# Altium PCB Thesis_HarvestEvaluator.PcbDoc (continued)
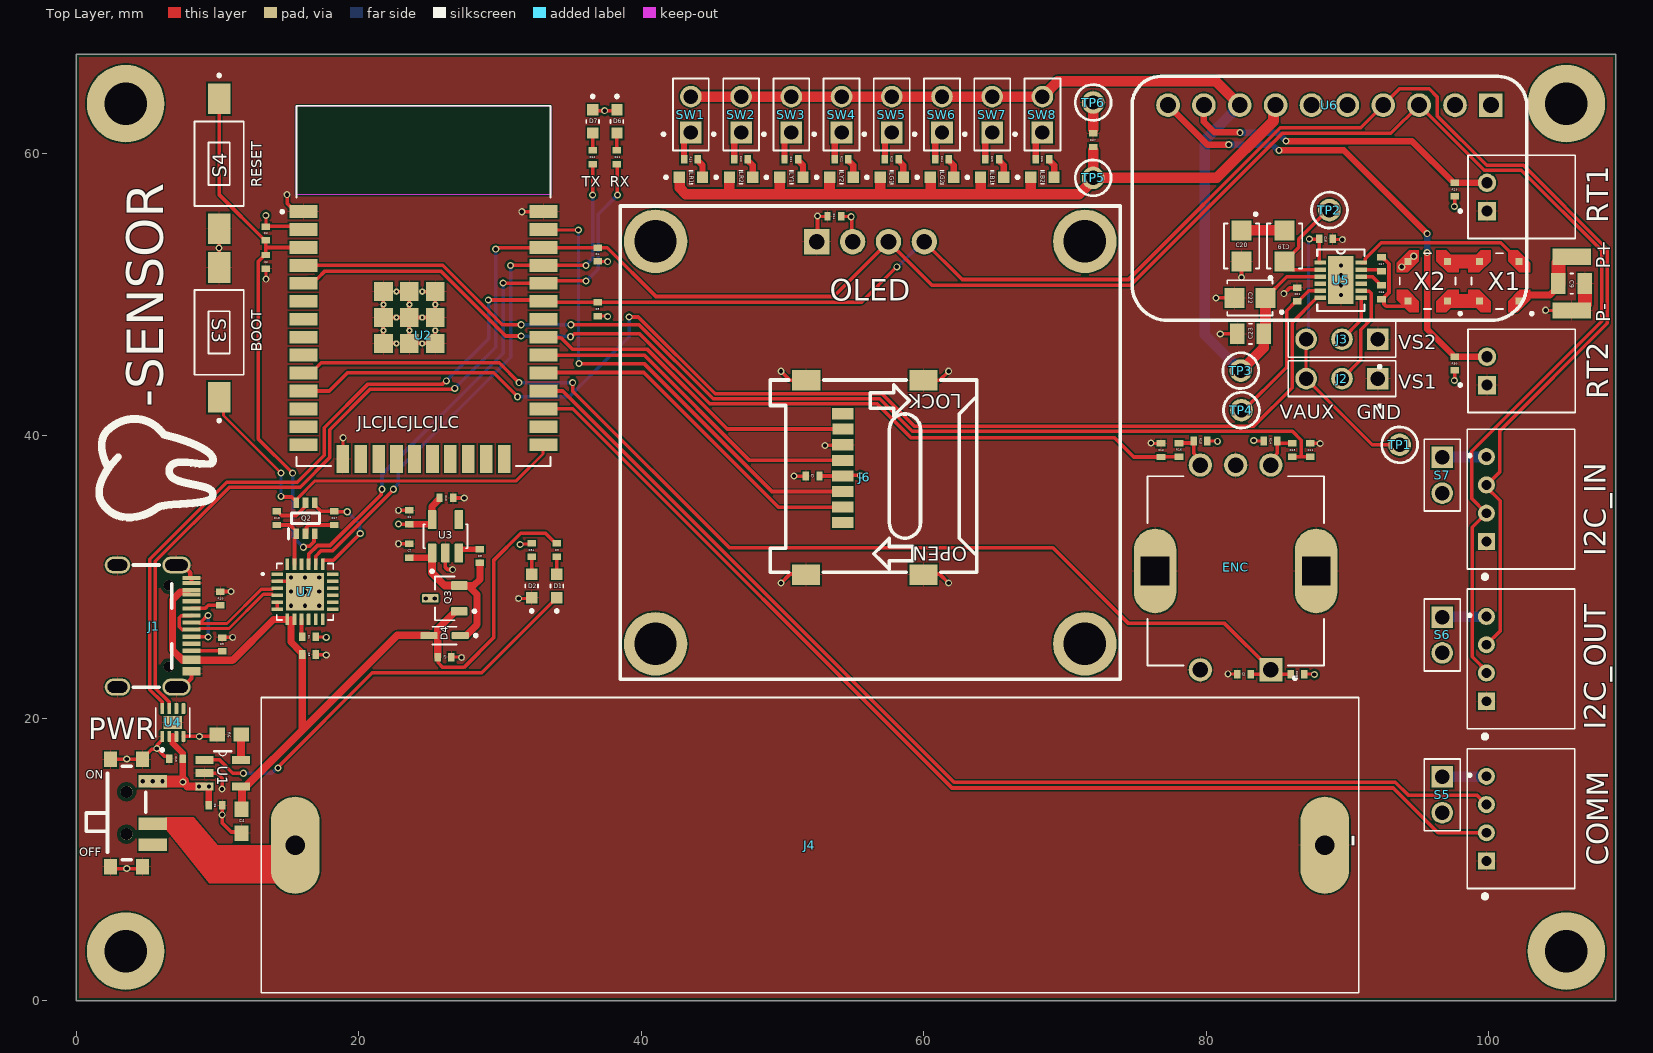
[diagram p0: Top Layer view]
## Footprints (in the part's own frame and the unit in brackets; to place one, negate y for a bottom-side part, rotate by r counter-clockwise, add the part's x,y. Pads: shape width x height; smd on the part's side, far side on the other; paste and mask are expansions set on the pad) (continued)
  round 0.45 hole 0.2: 39(-2.835,0.338) 39(-2.835,2.173) 39(-1.917,-0.58) 39(-1.917,1.255) 39(-1.917,3.09) 39(-1,0.338) 39(-1,2.173) 39(-0.082,-0.58) 39(-0.082,1.255) 39(-0.082,3.09) 39(0.835,0.338) 39(0.835,2.173)
  Keep-Out Layer region: 9,9.945 -9,9.945 -9,16.245 9,16.245
  Keep-Out Layer region: 9,9.945 -9,9.945 -9,16.245 9,16.245
  silkscreen extent -10.1,-9.25 9,16.25, body extent -9,-9.25 9,16.25, height 2.91
"Keystone 5001" [mm]
  round 1.6 hole 1.02: 1(0,0)
  silkscreen extent -1.27,-1.27 1.27,1.27, body extent -1.27,-1.27 1.27,1.26, height 4.94
"LED 0603 - Blue" [mm]
  rect 0.8x0.8 smd: A(0.825,0) C(-0.825,0)
  silkscreen extent -1.86,-0.45 0.11,0.45, body extent -0.81,-0.4 0.81,0.4, height 0.6
"LED 0603 - Green" [mm]
  rect 0.8x0.8 smd: A(0.825,0) C(-0.825,0)
  silkscreen extent -1.86,-0.45 0.11,0.45, body extent -0.81,-0.4 0.81,0.4, height 0.6
"LED 0603 - Red" [mm]
  rect 0.8x0.8 smd: A(0.825,0) C(-0.825,0)
  silkscreen extent -1.86,-0.45 0.11,0.45, body extent -0.81,-0.4 0.81,0.4, height 0.6
"LED 0603 - Yellow" [mm]
  rect 0.8x0.8 smd: A(0.825,0) C(-0.825,0)
  silkscreen extent -1.86,-0.45 0.11,0.45, body extent -0.81,-0.4 0.81,0.4, height 0.6
LPR4012 [mm]
  rect 0.5x0.5 smd paste-1 mask+0: 1(-1.4,1.4) 2(-1.4,-1.4) 3(1.4,-1.4) 4(1.4,1.4)
  Top Layer region: -0.625,1.42 -1.42,0.625 -2.2,0.625 -2.2,1.305 -1.305,2.2 -0.625,2.2
  Top Layer region: -0.625,-1.42 -0.625,-2.2 -1.305,-2.2 -2.2,-1.305 -2.2,-0.625 -1.42,-0.625
  Top Layer region: 2.2,1.305 2.2,0.625 1.42,0.625 0.625,1.42 0.625,2.2 1.305,2.2
  Top Layer region: 2.2,-1.305 1.305,-2.2 0.625,-2.2 0.625,-1.42 1.42,-0.625 2.2,-0.625
  silkscreen extent -2.4,-1.97 1.97,2.4, body extent -2.01,-2.01 2.01,2.01, height 1.2
LTC3108 [mil]
  rect 32x12 smd: 1(-57,49.21) 2(-57,29.53) 3(-57,9.84) 4(-57,-9.84) 5(-57,-29.53) 6(-57,-49.21) 7(57,-49.21) 8(57,-29.53) 9(57,-9.84) 10(57,9.84) 11(57,29.53) 12(57,49.21)
  rect 71x134 smd paste-118.11: 13(0,0)
  silkscreen extent -66,-86 66,86, body extent -59,-79 59,79, height 32
"Male Header - 2 Pin" [mm]
  rect 1.53x1.53 hole 1.02: 1(0,2.54)
  round 1.53 hole 1.02: 2(0,0)
  silkscreen extent -1.27,-1.27 2.04,3.81, body extent -1.27,-1.27 1.27,3.81, height 8.3
"Male Header - 3 Pin" [mm]
  rect 1.53x1.53 hole 1.02: 1(0,2.54)
  round 1.53 hole 1.02: 2(0,0) 3(0,-2.54)
  silkscreen extent -1.27,-3.81 2.04,3.81, body extent -1.27,-3.81 1.27,3.81, height 8.33
MAX17048 [mm]
  rrect25% 0.76x0.27 smd: 1(-0.985,0.75) 2(-0.985,0.25) 3(-0.985,-0.25) 4(-0.985,-0.75) 5(0.985,-0.75) 6(0.985,-0.25) 7(0.985,0.25) 8(0.985,0.75)
  rect 0.9x1.3 smd paste-2: 9(0,0)
  silkscreen extent -2.04,-1.2 1.05,1.2, body extent -1.02,-1 1.03,1
MCP7383 [mil]
  rect 50x22 smd: 1(-51,37) 2(-51,0) 3(-51,-37) 4(51,-37) 5(51,37)
  silkscreen extent -24,49 24,61, body extent -53,-57 53,57, height 57
"MicroSD Socket" [mm]
  rect 0.8x1.5 smd: 1(-3.717,2.495) 2(-2.617,2.495) 3(-1.516,2.495) 4(-0.418,2.495) 5(0.685,2.495) 6(1.787,2.495) 7(2.908,2.487) 8(3.991,2.495)
  rect 1.45x2 smd: 9(6.357,5.087) 10(-7.403,5.095) 11(-7.403,-3.213) 12(6.357,-3.213)
  silkscreen extent -7.22,-6.98 6.38,7.64, body extent -7.75,-7.11 6.75,8.06, height 1.83
MK-12C02-G015 [mm]
  rect 0.9x2 smd: 1(-2.218,2.156) 2(0.782,2.156) 3(2.282,2.156)
  rect 1.1x0.93 smd: S(-3.768,-0.825) S(-3.768,1.445) S(3.832,-0.825) S(3.832,1.445)
  round 0.85 hole 0.85 unplated: ""(-1.468,0.31) ""(1.532,0.31)
  silkscreen extent -3.27,-2.54 3.33,1.68, body extent -3.82,-2.48 3.88,2.52, height 1.4
"OLED 1.3in module" [mm]
  rect 1.8x1.8 hole 1.1: 1(-2.937,3.275)
  round 1.8 hole 1.1: 2(-0.397,3.275) 3(2.143,3.275) 4(4.683,3.275)
  round 4.5 hole 3: ""(-14.35,-25.2) ""(-14.35,3.3) ""(16.05,-25.2) ""(16.05,3.3)
  silkscreen extent -16.85,-27.7 18.55,5.8, body extent -16.95,-27.72 18.7,5.88, height 13.63
Pad [mm]
  rect 2.72x1.16 smd: 1(0,0)
PEC11R-4215F-S0024 [mm]
  rect 1.65x1.65 hole 1.1: 1(-2.5,7)
  round 1.65 hole 1.1: 2(2.5,7) A(-2.5,-7.5) B(2.5,-7.5) COM(0,-7.5)
  oval 3x6 hole 2 square: S(-5.7,0) S(5.7,0)
  silkscreen extent -6.25,-6.7 6.25,7.7, body extent -6.92,-7.6 6.92,7.1, height 21.53
"Push Button 3.5x6" [mm]
  rect 2.18x1.6 smd: 1(-4.6,0) 2(4.6,0)
  silkscreen extent -6.35,-1.75 3,1.75, body extent -5,-1.75 5,1.75, height 4.33
"Resistor 0402" [mil]
  rect 18x24 smd: 1(-19,0) 2(19,0)
  body extent -20,-10 20,10, height 14
"Resistor 0603" [mm]
  rect 1.1x1 smd: 1(-0.85,0) 2(0.85,0)
  body extent -0.8,-0.4 0.8,0.4, height 0.45
S2B-PH [mm]
  rect 1.308x1.308 hole 0.8: 1(-1,0)
  round 1.308 hole 0.8: 2(1,0)
  silkscreen extent -2.95,-6.25 2.95,2, body extent -2.98,-6.21 2.92,1.39, height 4.8
S4B-PH [mm]
  rect 1.208x1.208 hole 0.7: 1(-3,0)
  round 1.208 hole 0.7: 2(-1,0) 3(1,0) 4(3,0)
  silkscreen extent -5.64,-6.25 4.95,1.35, body extent -4.95,-6.2 4.95,1.4, height 4.85
"USB Type C" [mm]
  rect 0.3x1.3 smd: A1(-3.4,2.624) A4(-2.56,2.624) A5(-1.25,2.624) A6(-0.25,2.624) A7(0.25,2.624) A8(1.25,2.624) A9(2.55,2.624) A12(3.35,2.624) B1(3.05,2.624) B4(2.24,2.624) B5(1.75,2.624) B6(0.75,2.624) B7(-0.75,2.624) B8(-1.75,2.624) B9(-2.24,2.624) B12(-3.05,2.624)
  oval 1.2x2 hole 0.8 slot 1.6 at 90 deg: S(-4.32,1.556) S(4.32,1.556)
  oval 1.2x1.8 hole 0.8 slot 1.4 at 90 deg: S(-4.32,-2.624) S(4.32,-2.624)
  round 0.75 hole 0.75 unplated: ""(-2.89,1.026) ""(2.89,1.026)
  silkscreen extent -4.32,-1.49 4.32,1.22, body extent -4.47,-5.21 4.47,2.54, height 3.32
XC6220 [mm]
  rrect15% 1.35x0.6 smd: 1(-1.185,0.95) 2(-1.185,0) 3(-1.185,-0.95) 4(1.185,-0.95) 5(1.185,0.95)
  silkscreen extent -2.57,-1.55 0.85,1.55, body extent -1.19,-1.5 1.21,1.5, height 1.15

## Part data
C9 C16 C17 C18 C19 C20 C21 C22 C23: library part Capacitor
LB1 LB2 LG1 LG2 LR1 LR2 LY1 LY2: library part LED
R19 R20 R21 R22 R23 R24 R25 R26 R29 R30: library part Resistor, "May be 0R or 1k"
R27: library part Resistor, "Consider different shunt ranges"
RT1 RT2: library part Thermistor

## Free pads (board coordinates)
  round 5.5 hole 3: ""(3.5,3.5) ""(3.5,63.5) ""(105.5,3.5) ""(105.5,63.5)

## Via types
v1: diameter 0.5, hole 0.3, Top Layer to Bottom Layer, 113 vias

## Nets (pads, with @x,y where several pads share a name; then routed paths per layer and width w, separated by ;. In a path a pad name is that pad's centre, name@x,y a point inside that pad or via, vN(x,y) a via of type N, cw(c..) or ccw(c..) an arc to the next point about the centre after c; other vN are vias at no path point)
3V3: C1.1 C5.1 C10.1 C14.1 D6.C D7.C J6.4 OLED.2 R1.1 R2.2 R4.1 R5.1 R14.2 R15.2 R28.2 R29.2 R30.2 R34.2 S5.2 S6.2 S7.2 U2.2 U3.5 U6.1 | length 19.5
  Top Layer w0.218: R2.2@13.419,54.809 v1(13.419,55.576) ; R1.1@16.993,25.745 v1@17.676,25.745 ; v1@31.47,32.325 R34.2@32.204,32.325 ; R5.1 v1@37.601,48.463 ; R4.1 v1@37.601,52.338 ; C14.1 v1@54.839,55.52 ; R15.2 v1@80.775,39.62 ; v1@83.396,39.62 R14.2 ; R28.2 v1@87.633,23.11 ; v1@97.599,43.932 R30.2 ; v1@97.599,56.251 R29.2
  Top Layer w0.254: R2.2@13.419,54.809 U2.2@15.872,54.809 ; v1@22.83,33.729 C1.1@23.554,33.729 ; D7.C@36.559,63.007 v1(37.415,63.007) D6.C@38.277,63.007 ; C5.1 J6.4 ; OLED.2@54.916,53.781 v1@54.916,55.443 ; J6.4@54.975,37.186 v1@55.513,37.186
  Top Layer w0.45: C1.1@23.574,33.729 U3.5@25.017,33.729
  Top Layer w0.5: U3.5@25.19,34.044 25.19,34.984 C10.1@25.694,35.489
  other v1: 87.658,23.085 17.701,25.72 31.431,32.287 22.821,33.738 55.517,37.182 80.8,39.595 83.371,39.645 97.574,43.907 37.626,48.438 37.626,52.313 54.864,55.495 97.574,56.226
D_N: J1.A7 J1.B7 U7.4 | length 8
  Top Layer w0.218: J1.A7@8.735,26.338 10.819,26.338 13.247,28.766 U7.4@13.897,28.766
  Top Layer w0.254: 7.5,26.25 7.285,26.465 7.285,27.094 7.433,27.243 8.14,27.243 J1.B7@8.162,27.265
D_P: J1.A6 J1.B6 U7.3 | length 9.6
  Top Layer w0.218: J1.A6@8.735,26.694 10.672,26.694 13.1,29.122 U7.3@13.897,29.122
  Top Layer w0.254: J1.B6@8.161,25.752 v1@9.335,25.752 ; J1.A6@8.806,26.781 v1@9.295,27.27
  Bottom Layer w0.254: v1(9.341,25.746) v1(9.341,27.27)
DTR: Q2.1 R18.2 U7.23 | length 3.4
  Top Layer w0.254: R18.2 15.139,33.669 Q2.1@15.581,33.227 ; U7.23 Q2.1@15.449,32.745
GND: C1.2 C2.2 C3.2 C4.2 C5.2 C6.2 C7.2 C8.2 C9.2 C10.2 C11.1 C12.1 C14.2 C15.2 C18.2 C20.2 C21.2 C22.2 C23.2 COMM.1 D2.C ENC.2 ENC.COM ENC.S I2C_IN.1 I2C_OUT.1 J1.A1 J1.A12 J1.B1 J1.B12 J1.S J2.1 J3.1 J4.N J6.6 J6.9 J6.10 J6.11 J6.12 OLED.1 P-.1 PWR.S R6.1 R7.1 R9.1 R10.1 R27.1 RT1.1 RT2.1 S3.2 S4.2 TP6.1 U1.2 U2.1 U2.15 U2.38 U2.39 U3.2 U4.1 U4.4 U4.6 U4.9 U5.13 U6.2 U7.2 U7.25 X2.3 | length 77
  Top Layer w0.218: C2.2@13.419,51.826 13.423,51.823 13.423,51.081 v1(13.427,51.076) ; v1(18.9,39.85) 18.9,39.13 U2.15@18.912,39.118 ; R7.1@26.56,24.31 v1@27.244,24.31 ; v1(31.324,28.462) D2.C@32.189,28.462 ; v1(31.55,55.85) 32.32,55.85 U2.38@32.332,55.862 ; v1@52.507,55.52 C14.2 ; v1@76.123,39.449 C12.1 ; v1@81.567,23.11 C3.2 C3.2@82.251,23.11 ; C11.1 v1@88.048,39.459 ; C18.2@88.934,53.899 v1@89.618,53.899 ; v1@104.067,48.85 P-.1@104.75,48.85
  Top Layer w0.254: PWR.S@2.447,17.095 v1(3.576,17.095) PWR.S@4.679,17.095 ; PWR.S@2.559,9.345 v1(3.576,9.345) PWR.S@4.567,9.345 ; PWR.S@4.698,17.161 5.335,17.798 v1@5.654,17.798 ; v1(5.701,17.845) 6.25,17.296 C15.2@6.479,17.296 ; v1@5.748,17.892 5.748,18.119 U4.1@6.087,18.458 ; U4.4 v1(8.711,18.703) R6.1@9.834,18.703 ; U1.2 9.944,16.102 10.326,15.72 v1(10.326,14.97) ; S3.2 v1(10.112,53.279) S4.2 ; R10.1@10.218,28.961 v1@10.942,28.961 ; v1(10.333,13.151) 10.333,12.567 10.968,11.932 11.618,11.932 C4.2 ; v1@10.336,13.154 C6.2@10.336,13.813 ; R9.1@10.343,25.711 v1@11.067,25.711 ; U7.2 15.449,29.694 v1(16.199,28.944) ; v1(14.925,57.057) 14.925,56.444 U2.1@15.511,55.858 ; C8.2@16.983,24.485 v1@17.686,24.485 ; U2.39@21.748,50.196 21.748,49.278 U2.39@21.748,48.361 ; U2.39@22.665,46.526 21.748,46.526 21.748,47.443 U2.39@21.748,48.361 ; U2.39@22.665,50.196 23.583,50.196 23.583,49.278 U2.39@23.583,48.361 ; v1@22.824,32.332 C7.2@23.561,32.332 ; v1@22.832,34.703 C1.2@23.557,34.703 ; U2.39@24.5,50.196 25.418,50.196 25.418,49.278 25.418,48.361 24.5,48.361 U2.39@23.583,48.361 ; U2.39@25.418,47.443 25.418,46.526 24.5,46.526 23.583,46.526 23.583,47.443 U2.39@23.583,48.361 ; U3.2@26.14,31.674 26.14,30.665 26.288,30.517 v1@26.643,30.517 ; C10.2@26.681,35.587 26.684,35.584 27.458,35.584 v1(27.469,35.573) ; v1(49.892,29.557) 50.535,30.2 J6.10@51.679,30.2 ; v1(49.892,44.557) 50.535,43.914 J6.9 ; v1(50.814,37.135) C5.2@51.452,37.135 ; OLED.1@52.482,53.783 v1(52.482,55.545) ; v1(53.017,39.307) J6.6@54.031,39.307 ; J6.11@59.979,30.2 61.124,30.2 v1(61.767,29.557) ; J6.12 61.124,43.914 v1(61.767,44.557) ; v1(80.7,49.75) 81.994,49.75 C22.2 ; v1(81,47.2) 82.197,47.2 C23.2 ; v1(82.5,51.2) 82.5,52.321 C20.2 ; v1(85.5,50.05) 85.907,50.457 86.419,50.457 C21.2 ; P-.1 106.328,48.856 P-.1@106.781,49.309 ; C9.2 C9.2@106.836,50.74 ; U2.39@21.748,48.361 22.665,48.361 U2.39@23.583,48.361
  Top Layer w0.3: J1.S@7.526,30.836 8.076,30.285 J1.A1@8.076,30.003 ; J1.S@7.552,22.196 8.163,22.807 J1.A12 J1.B1 ; J1.B12 J1.A1
  Top Layer w0.75: 72,61.7 TP6.1
  Top Layer w1: P-.1@106.815,49.309 C9.2
  other v1: 81.542,23.135 27.269,24.285 17.701,24.47 11.076,25.72 15.199,27.956 16.199,27.956 17.199,27.956 15.199,28.956 17.199,28.956 10.951,28.97 15.199,29.956 16.199,29.956 17.199,29.956 26.651,30.509 22.812,32.345 22.824,34.712 88.073,39.434 76.098,39.474 104.042,48.875 89.55,49.95 89.55,50.65 89.55,51.35 93.85,51.95 89.55,52.05 94.7,52.7 89.643,53.874
GND_L: LB1.C LB2.C LG1.C LG2.C LR1.C LR2.C LY1.C LY2.C R27.2 TP5.1 U6.7 | length 56.9
  Top Layer w0.75: LR1.C 42.717,58.264 42.717,57.539 43.156,57.1 46.3,57.1 ; LR2.C 46.248,57.152 46.3,57.1 ; LY1.C 49.804,57.196 49.9,57.1 ; LY2.C 53.335,58.264 53.335,57.235 53.2,57.1 ; LG1.C 56.916,57.116 56.9,57.1 ; LG2.C 60.497,58.264 60.497,57.203 60.6,57.1 ; LB1.C 64.028,57.172 64.1,57.1 ; LB2.C 67.584,57.134 67.55,57.1 ; 72,60.2 TP5.1 ; U6.7 84.772,63.252 84.772,62.272 80.75,58.25 TP5.1 ; 46.3,57.1 49.9,57.1 ; 49.9,57.1 53.2,57.1 ; 53.2,57.1 56.9,57.1 ; 56.9,57.1 60.6,57.1 ; 60.6,57.1 64.1,57.1 ; 64.1,57.1 67.55,57.1 ; 67.55,57.1 71,57.1 72,58.1 TP5.1
GPIO0: Q2.6 S3.1 U2.25 | length 29.6
  Top Layer w0.218: S3.1 10.429,42.393 10.429,41.421 v1(14.5,37.35) ; Q2.6 15.672,35.343 15.672,35.566 16.906,36.8 31.15,36.8 33.052,38.702 33.052,39.32 U2.25
  Top Layer w0.254: v1(14.5,35.7) 14.547,35.653 15.247,35.653 Q2.6@15.45,35.45
  Bottom Layer w0.218: v1(14.5,35.7) v1(14.5,37.35)
IO5: J6.2 U2.29 | length 25.2
  Top Layer w0.254: U2.29 33.12,44.468 40.182,44.468 49.71,34.94 J6.2
IO16: COMM.2 U2.27 | length 79.2
  Top Layer w0.254: U2.27 35.159,41.891 62,15.05 93.25,15.05 96.422,11.878 COMM.2
IO17: COMM.3 U2.28 | length 78.9
  Top Layer w0.254: U2.28 34.439,43.161 62.15,15.45 93.4,15.45 94.3,14.55 99.169,14.55 COMM.3
IO18: J6.5 U2.30 | length 24.3
  Top Layer w0.254: U2.30 40.21,45.701 47.668,38.242 J6.5
IO19: J6.7 U2.31 | length 23.9
  Top Layer w0.254: U2.31 33.125,46.929 34.315,46.929 35.144,46.1 40.45,46.1 46.085,40.465 J6.7
IO23: J6.3 U2.37 | length 33.6
  Top Layer w0.218: U2.37@33.846,54.602 33.898,54.55 v1(35.55,54.55)
  Top Layer w0.254: v1(35.6,45.1) 40.2,45.1 49.259,36.041 J6.3
  Bottom Layer w0.218: v1(35.55,54.55) 35.55,45.15 v1(35.6,45.1)
IO25: C3.1 ENC.1 R28.1 U2.10 | length 81.2
  Top Layer w0.254: U2.10 16.633,44.431 17.352,45.15 29.95,45.15 v1(31.35,43.75) ; v1(35.15,43.75) 35.15,43.15 46.25,32.05 69.15,32.05 74.5,26.7 81.304,26.7 ENC.1 ; C3.1 84.28,23.11 ENC.1 ; R28.1 84.894,23.11 ENC.1
  Bottom Layer w0.254: v1(31.35,43.75) v1(35.15,43.75)
IO26: U2.11 U5.6 | length 86.1
  Top Layer w0.254: U2.11 17.911,43.161 19.2,44.45 29.55,44.45 v1(31.25,42.75) ; v1(39.15,48.4) 39.8,48.4 45.24,42.96 57.043,42.96 59.347,40.656 83.356,40.656 86.085,43.385 86.085,47.236 86.1,47.25 86.1,48.012 87.841,49.753 U5.6
  Bottom Layer w0.254: v1(31.25,42.75) 34.895,42.75 39.15,47.005 v1(39.15,48.4)
IO36: C11.2 R13.2 U2.4 | length 78.2
  Top Layer w0.254: U2.4 25.949,52.051 30.15,47.85 v1(31.5,47.85) ; v1(35.017,47.85) 39.847,47.85 45.092,42.605 56.895,42.605 59.2,40.3 86.11,40.3 86.73,39.68 86.73,38.493 ; R13.2 86.73,38.493 ; C11.2 86.73,38.493
  Bottom Layer w0.254: v1(31.5,47.85) v1(35.017,47.85)
IO39: C12.2 R16.1 U2.5 | length 68
  Top Layer w0.254: U2.5 16.406,51.104 17.059,51.104 17.605,51.65 25.8,51.65 30.4,47.05 v1(31.5,47.05) ; v1(35,47) 35.067,47 35.267,47.2 39.9,47.2 44.851,42.249 56.701,42.249 59.09,39.86 73.49,39.86 74.866,38.484 C12.2 76.819,38.497 78.063,38.497 R16.1
  Bottom Layer w0.254: v1(31.5,47.05) 31.525,47.025 34.975,47.025 v1(35,47)
NetC9_1: C9.1 P+.1 X1.1 | length 4.6
  Top Layer w0.508: 102.254,49.95 104.339,49.95 104.935,50.546 C9.1
  Top Layer w1: C9.1 P+.1@104.935,52.213
NetC16_1: C16.1 U5.10 | length 1.7
  Top Layer w0.254: U5.10 91.778,51.253 92.235,50.796 92.235,50.736 92.337,50.634 C16.1
NetC16_2: C16.2 C17.2 X2.4 | length 6.1
  Top Layer w0.254: C17.2 92.489,52.615 92.946,52.158 92.946,50.126 C16.2@92.489,49.669 ; 94.01,49.155 94.159,49.303 94.159,49.416 X2.4 ; 94.137,49.155 92.74,49.155 92.591,49.303 92.591,49.567 C16.2@92.489,49.669 ; C16.2@92.489,49.669 C16.2 C16.2@92.489,49.669
NetC17_1: C17.1 U5.11 | length 1.5
  Top Layer w0.254: U5.11 92.234,51.753 92.337,51.65 C17.1
NetC19_1: C19.1 TP2.1 U5.2 | length 7.8
  Top Layer w0.254: U5.2 86.13,51.753 C19.1 86.55,53.323 86.55,53.914 88.604,55.968 TP2.1
NetC19_2: C19.2 C20.1 | length 3
  Top Layer w0.75: C20.1 C19.2
NetC21_1: C21.1 TP4.1 U5.5 | length 11.6
  Top Layer w0.254: TP4.1@82.45,41.6 85.7,44.85 85.7,48.849 86.368,49.516 C21.1 86.52,49.516 87.257,50.253 U5.5
NetCOMM_4: COMM.4 S5.1 | length 3.1
  Bottom Layer w0.75: S5.1@96.736,15.858 COMM.4@99.821,15.858
NetD1_A: D1.A R3.2 | length 1.2
  Top Layer w0.254: D1.A@34.021,30.166 R3.2@34.021,31.398
NetD1_C: D1.C U1.1 | length 30.5
  Top Layer w0.254: U1.1 10.142,17.042 11.088,16.095 v1(11.826,16.095) ; v1(14.279,16.471) 14.279,16.529 20.962,23.212 28.717,23.212 D1.C@34.021,28.516
  Bottom Layer w0.254: v1(11.826,16.095) 13.837,16.095 14.213,16.471 v1(14.279,16.471)
NetD2_A: D2.A R34.1 | length 1.2
  Top Layer w0.254: D2.A@32.243,30.166 R34.1@32.243,31.398
NetD6_A: D6.A R11.1 | length 1.2
  Top Layer w0.254: R11.1@38.279,60.127 D6.A@38.279,61.359
NetD7_A: D7.A R12.1 | length 1.2
  Top Layer w0.254: R12.1@36.557,60.127 D7.A@36.557,61.359
NetENC_A: ENC.A R13.1 R14.1 | length 3
  Top Layer w0.254: ENC.A 84.587,38.295 85.045,38.752 R14.1@85.045,39.56 ; R14.1 R14.1@85.045,39.56 ; R13.1 85.146,39.459 R14.1@85.045,39.56
NetENC_B: ENC.B R15.1 R16.2 | length 2.8
  Top Layer w0.254: R16.2 R15.1@79.025,39.475 ; R15.1 79.126,38.755 79.587,38.295 ENC.B
NetI2C_IN_4: I2C_IN.4 S7.1 | length 3.1
  Bottom Layer w0.75: S7.1 96.736,38.486 99.821,38.486 I2C_IN.4
NetI2C_OUT_4: I2C_OUT.4 S6.1 | length 3.1
  Bottom Layer w0.75: S6.1 96.736,27.172 99.821,27.172 I2C_OUT.4
NetJ1_A5: J1.A5 R10.2 | length 2
  Top Layer w0.254: J1.A5@8.186,27.789 9.145,27.789 9.343,27.987 R10.2@10.125,27.987
NetJ1_B5: J1.B5 R9.2 | length 2.1
  Top Layer w0.254: J1.B5 R9.2@10.297,24.766
NetJ4_P: J4.P PWR.2
NetLB1_A: LB1.A R25.1 | length 1.4
  Top Layer w0.254: R25.1@65.336,59.483 R25.1
  Top Layer w0.45: R25.1@65.336,59.483 65.678,59.14 LB1.A
NetLB2_A: LB2.A R26.1 | length 1.4
  Top Layer w0.254: R26.1@68.892,59.483 R26.1
  Top Layer w0.45: R26.1@68.892,59.483 69.234,59.14 LB2.A
NetLG1_A: LG1.A R23.1 | length 1.4
  Top Layer w0.254: R23.1@58.224,59.483 R23.1
  Top Layer w0.45: R23.1@58.224,59.483 58.566,59.14 LG1.A
NetLG2_A: LG2.A R24.1 | length 1.4
  Top Layer w0.254: R24.1@61.78,59.483 R24.1
  Top Layer w0.45: R24.1@61.78,59.483 62.122,59.14 LG2.A
NetLR1_A: LR1.A R19.1 | length 1.4
  Top Layer w0.254: R19.1@44,59.483 R19.1
  Top Layer w0.45: R19.1@44,59.483 44.342,59.14 LR1.A
NetLR2_A: LR2.A R20.1 | length 1.4
  Top Layer w0.254: R20.1@47.556,59.483 R20.1
  Top Layer w0.45: R20.1@47.556,59.483 47.898,59.14 LR2.A
NetLY1_A: LY1.A R21.1 | length 1.4
  Top Layer w0.254: R21.1@51.112,59.483 R21.1
  Top Layer w0.45: R21.1@51.112,59.483 51.454,59.14 LY1.A
NetLY2_A: LY2.A R22.1 | length 1.4
  Top Layer w0.254: R22.1@54.668,59.483 R22.1
  Top Layer w0.45: R22.1@54.668,59.483 55.01,59.14 LY2.A
NetQ2_2: Q2.2 R17.2 | length 2.4
  Top Layer w0.254: Q2.2@16.304,33.125 16.304,33.521 16.453,33.669 R17.2
NetQ2_5: Q2.5 R18.1 | length 2
  Top Layer w0.254: R18.1@14.432,34.419 14.506,34.345 15.572,34.345 Q2.5@16.158,34.931
NetR1_2: R1.2 U7.9 | length 1.1
  Top Layer w0.254: R1.2@15.949,25.9 U7.9
NetR6_2: R6.2 U1.5 | length 1.8
  Top Layer w0.55: U1.5@11.668,17.05 R6.2@11.668,18.837
NetR8_2: R8.2 U3.3 | length 1.2
  Top Layer w0.4: U3.3@27.339,31.944 R8.2@28.574,31.944
NetR19_2: R19.2 SW1.1 | length 2.1
  Top Layer w0.254: SW1.1@43.034,60.981 SW1.1
  Top Layer w0.45: R19.2 SW1.1@43.034,60.981
NetR20_2: R20.2 SW2.1 | length 2.1
  Top Layer w0.254: SW2.1@46.59,60.981 SW2.1
  Top Layer w0.45: R20.2 SW2.1@46.59,60.981
NetR21_2: R21.2 SW3.1 | length 2.1
  Top Layer w0.254: SW3.1@50.146,60.981 SW3.1
  Top Layer w0.45: R21.2 SW3.1@50.146,60.981
NetR22_2: R22.2 SW4.1 | length 2.1
  Top Layer w0.254: SW4.1@53.702,60.981 SW4.1
  Top Layer w0.45: R22.2 SW4.1@53.702,60.981
NetR23_2: R23.2 SW5.1 | length 2.1
  Top Layer w0.254: SW5.1@57.258,60.981 SW5.1
  Top Layer w0.45: R23.2 SW5.1@57.258,60.981
NetR24_2: R24.2 SW6.1 | length 2.1
  Top Layer w0.254: SW6.1@60.814,60.981 SW6.1
  Top Layer w0.45: R24.2 SW6.1@60.814,60.981
NetR25_2: R25.2 SW7.1 | length 2.1
  Top Layer w0.254: SW7.1@64.37,60.981 SW7.1
  Top Layer w0.45: R25.2 SW7.1@64.37,60.981
NetR26_2: R26.2 SW8.1 | length 2.1
  Top Layer w0.254: SW8.1@67.926,60.981 SW8.1
  Top Layer w0.45: R26.2 SW8.1@67.926,60.981
NetU5_12: U5.12 X1.2 | length 12.4
  Top Layer w0.254: U5.12 91.245,52.253 91.27,52.278 91.27,52.532 92.388,53.65 100.851,53.65 X1.2
NetU7_5: U7.5 U7.6 | length 0.5
  Top Layer w0.254: U7.6 U7.5
NetX1_3: X1.3 X2.2 | length 2.3
  Top Layer w1: X2.2 X1.3
NetX1_4: X1.4 X2.1 | length 2.3
  Top Layer w1: X2.1 X1.4
RESET: C2.1 Q2.3 R2.1 S4.1 U2.3 | length 38.7
  Top Layer w0.254: S4.1 10.112,57.068 13.342,53.838 R2.1 ; C2.1@13.418,52.783 R2.1@13.418,53.836 ; C2.1 13.342,52.786 12.885,52.329 12.885,39.765 v1@15.319,37.331 ; 13.427,53.318 U2.3@16.083,53.318 ; v1@16.201,32.153 16.494,32.153 16.834,32.493 Q2.3@16.834,33.005
  Bottom Layer w0.254: v1(15.325,37.337) 15.325,32.846 v1(16.076,32.095)
RTS: Q2.4 R17.1 U7.19 | length 7.9
  Top Layer w0.254: Q2.4@16.881,35.077 17.323,34.635 R17.1 ; U7.19@17.452,31.08 17.452,31.164 18.209,31.164 v1(20.108,33.063) ; R17.1@18.29,34.608 v1(19.188,34.608)
  Bottom Layer w0.254: v1(19.188,34.608) 20.076,33.72 20.076,33.095 v1(20.108,33.063)
RX: R11.2 U2.34 U7.21 | length 40.5
  Top Layer w0.254: U7.21 16.449,31.593 17.076,32.22 17.97,32.22 21.608,35.858 21.608,36.158 v1(21.65,36.2) ; v1(30.227,50.8) 33.064,50.8 U2.34 ; U2.34@33.718,50.95 v1(36.1,50.95) ; v1(38.317,57.034) R11.2@38.317,59.123
  Bottom Layer w0.254: v1(21.65,36.2) 21.65,37.25 30.227,45.827 v1(30.227,50.8) ; v1(36.1,50.95) 36.95,51.8 36.95,55.667 v1(38.317,57.034)
SCL: I2C_IN.2 I2C_OUT.2 OLED.3 R4.2 U2.36 U4.7 U6.3 | length 176.6
  Top Layer w0.254: U4.7@6.579,20.681 6.579,21.14 5.6,22.119 5.6,31.1 10.85,36.35 15.85,36.35 17.95,38.45 17.95,40.423 20.822,43.294 26.57,43.294 26.579,43.303 26.753,43.303 v1(26.8,43.35) ; v1(29.7,53.2) 29.767,53.2 29.858,53.292 33.054,53.292 U2.36 33.1,53.304 R4.2 37.596,53.304 41.05,49.85 53.629,49.85 OLED.3 60.587,50.65 74.65,50.65 85.4,61.4 93.08,61.4 U6.3 99.697,58.783 102.317,58.783 108,53.1 108,48.1 98.8,38.9 98.8,35.547 I2C_IN.2 98.841,33.506 98.841,24.342 I2C_OUT.2@99.991,23.192
  Bottom Layer w0.254: v1(26.8,43.35) 29.7,46.25 v1(29.7,53.2)
SDA: I2C_IN.3 I2C_OUT.3 OLED.4 R5.2 U2.33 U4.8 U6.4 | length 170.9
  Top Layer w0.254: U4.8@6.079,20.681 6.079,21.137 5.2,22.016 5.2,31.25 10.656,36.706 15.656,36.706 17.55,38.6 17.55,40.55 20.65,43.65 25.928,43.65 26.155,43.877 v1(26.2,43.877) ; v1(29.173,49.6) 32.994,49.6 33.165,49.429 R5.2 55.579,49.429 v1(58.1,51.95) ; OLED.4 62.727,51.05 74.5,51.05 85.25,61.8 90.94,61.8 U6.4 93.69,64.55 95.8,64.55 96.35,64 96.35,62.65 99.862,59.138 102.465,59.138 108.4,53.203 108.4,47.95 100.8,40.35 100.8,37.432 99.874,36.506 I2C_IN.3 ; I2C_IN.3@99.766,36.431 100.816,35.381 100.816,26.167 I2C_OUT.3
  Bottom Layer w0.254: v1(26.2,43.877) 29.2,46.877 29.2,49.573 v1(29.173,49.6) ; v1(58.1,51.95) 58.167,51.95 59.946,53.729 OLED.4
T1: R29.1 RT1.2 U6.9 | length 23
  Top Layer w0.254: v1@82.379,61.471 v1(82.4,61.45) ; R29.1@97.523,57.9 R29.1
  Top Layer w0.45: U6.9 79.84,62.21 80.579,61.471 v1@82.379,61.471 ; v1(85.65,60.85) 94.573,60.85 R29.1@97.523,57.9 ; R29.1 RT1.2
  Bottom Layer w0.45: v1(82.4,61.45) 85.05,61.45 v1(85.65,60.85)
T2: R30.1 RT2.2 U6.10 | length 34
  Top Layer w0.45: U6.10 80.1,60.6 v1(81.6,60.6) ; v1(85.15,60.2) 89.75,60.2 v1(95.65,54.3) ; v1(95.65,52.95) 95.65,47.53 97.519,45.661 97.519,45.585 97.523,45.581 R30.1 RT2.2
  Bottom Layer w0.254: v1@85.083,60.2 v1(85.15,60.2)
  Bottom Layer w0.45: v1(81.6,60.6) 84.683,60.6 v1@85.083,60.2 ; v1(95.65,52.95) v1(95.65,54.3)
TX: R12.2 U2.35 U7.20 | length 39.4
  Top Layer w0.254: U7.20 16.949,31.468 17.326,31.845 18.145,31.845 22.45,36.15 v1(22.45,36.2) ; v1(30.75,52.05) 33.082,52.05 U2.35 ; U2.35@33.718,52.05 v1(36.1,52.05) ; v1(36.567,57.034) R12.2@36.567,59.151
  Bottom Layer w0.254: v1(22.45,36.2) 22.45,36.267 22.797,36.614 22.797,37.597 30.754,45.554 30.754,52.046 v1(30.75,52.05) ; v1(36.1,52.05) 36.1,52.103 36.567,52.57 v1(36.567,57.034)
V_BATT: C6.1 C15.1 PWR.1 Q3.3 U1.3 U4.2 U4.3 | length 8.2
  Top Layer w0.45: 6.837,18.703 6.837,18.209 7.542,17.504 ; v1(7.546,15.47) 7.546,15.526 C15.1 ; C6.1 U1.3@9.374,15.108
  Top Layer w0.55: v1(7.546,15.47) 7.853,15.162 v1(8.689,15.162) U1.3
  Top Layer w0.85: v1(5.409,15.526) v1@7.546,15.526
  other v1: 9.4,15.162 4.714,15.53 6.111,15.53 24.74,28.462 25.375,28.462
V_USB: C4.1 C8.1 D4.A J1.A4 J1.A9 J1.B4 J1.B9 Q3.1 R3.1 R7.2 U1.4 U7.7 U7.8 | length 61.3
  Top Layer w0.254: R7.2@25.623,24.281 25.623,23.912 25.949,23.587 27.449,23.587 29.574,25.712 29.574,31.197 31.463,33.087 33.221,33.087 R3.1@33.944,32.363
  Top Layer w0.5: 7.83,28.921 7.358,28.921 6.806,28.369 6.806,24.826 7.537,24.095 11.076,24.095 13.97,26.989 U7.7 ; 15.199,26.989 15.199,25.38 C8.1@15.929,24.649 ; R7.2@25.595,24.31 25.595,26.314 Q3.1@26.83,27.549
  Top Layer w0.55: C4.1@11.731,13.632 U1.4@11.731,15.108 ; U1.4@12.016,15.162 16.002,19.149 ; C8.1 16.002,19.149 ; D4.A@24.941,25.865 22.719,25.865 16.002,19.149
VAUX: C18.1 J2.3 J3.3 TP1.1 U5.1 | length 21
  Top Layer w0.218: J3.3 J2.3 91.759,39.35 TP1.1 ; v1@87.332,53.901 C18.1@88.016,53.901
  Top Layer w0.254: C18.1 87.993,52.278 88.019,52.253 U5.1
  Bottom Layer w0.218: J3.3 87.253,46.998 87.253,53.872 v1(87.307,53.926)
VIN: C7.1 D4.C Q3.2 R8.1 U3.1 | length 11.4
  Top Layer w0.45: C7.1@23.574,31.354 U3.1@25.017,31.354
  Top Layer w0.5: D4.C@27.611,25.837 28.385,26.611 28.385,28.744 27.75,29.379 28.131,29.379 28.574,29.822 R8.1@28.574,30.979
  Top Layer w0.55: U3.1@25.19,31.674 25.19,30.292 26.103,29.379 Q3.2@27.115,29.379
VOUT: C22.1 C23.1 SW1.2 SW2.2 SW3.2 SW4.2 SW5.2 SW6.2 SW7.2 SW8.2 TP3.1 U5.3 U6.8 | length 71.3
  Top Layer w0.254: C23.1 C23.1@84.199,47.322 ; C22.1 85.707,51.253 U5.3
  Top Layer w0.75: SW1.2 SW2.2 SW3.2 SW4.2 SW5.2 SW6.2 SW7.2 SW8.2 69.505,65.1 80.68,65.1 U6.8 ; TP3.1 84.082,46.232 C23.1 ; C23.1@84.199,47.322 C22.1
  Bottom Layer w0.75: U6.8 79.9,60.92 79.9,47.15 TP3.1
VS1: J2.2 U5.8 | length 7.7
  Top Layer w0.254: J2.2 90.95,45.361 90.95,47.5 91.7,48.25 91.7,50.079 91.551,50.228 91.016,50.228 U5.8
VS2: J3.2 U5.7 | length 3.5
  Top Layer w0.254: J3.2 90.991,48.196 U5.7
pads on no net: J1. J1.A8 J1.B8 J6.1 J6.8 OLED. PWR. PWR.3 U2.6 U2.7 U2.8 U2.9 U2.12 U2.13 U2.14 U2.16 U2.17 U2.18 U2.19 U2.20 U2.21 U2.22 U2.23 U2.24 U2.26 U2.32 U3.4 U4.5 U5.4 U5.9 U6.5 U6.6 U7.1 U7.10 U7.11 U7.12 U7.13 U7.14 U7.15 U7.16 U7.17 U7.18 U7.22 U7.24

## Polygon pours and split planes (outlines as drawn)
3V3 on PW Layer "3V3_L03_P008" (solid, pour order 8): 0,0 109,0 109,67 0,67
V_BATT on PW Layer "V_BATT_L03_P001" (solid, pour order 1): 24.701,30.595 11.576,17.47 4.201,17.47 4.201,12.735 26.451,12.735 26.451,30.595
GND on Bottom Layer "GND_L04_P000" (solid, pour order 0): 0,0 109,0 109,67 0,67
GND on GND Layer "GND_L02_P006" (solid, pour order 6): 0,0 109,0 109,67 0,67
GND on Top Layer "GND_L01_P007" (solid, pour order 7): 0,0 109,0 109,67 0,67

## Other copper
Top Layer:
  region net NetJ4_P: 6.326,12.97 8.326,12.97 10,11 9.4,8.3 6.375,12.096
  region net NetJ4_P: 8.326,12.97 10,11 16.8,11 16.8,8.3 9.4,8.3

## Silkscreen, mask and mechanical layers (free items; w line width, h text height)
Top Overlay:
  region: 2321 vertices and 1 holes, not listed, extent 1.367,33.946 9.94,41.434
  text "TX" at 35.79,57.632 h0.75
  text "RX" at 37.79,57.632 h0.75
  text "RESET" at 13.125,57.575 h0.75 r90
  text "VS2" at 93.6,46.1 h1
  text "BOOT" at 13.125,45.925 h0.75 r90
  text "VS1" at 93.6,43.3 h1
  text "-SENSOR" at 7,42 h4.42 r90
  text "VAUX" at 85.2,41.2 h1
  text "GND" at 90.65,41.15 h1
  text "JLCJLCJLCJLC" at 19.899,40.532 h0.85
  text "ON" at 0.686,15.705 h0.6
  text "OFF" at 0.201,10.22 h0.6
Mechanical 1:
  the board outline again, w0.254

## Text inside footprints (layer, text, board x,y; h text height)
J4: Top Overlay "-" at 89.699,11.788 h1.88 r270; Mechanical 13 "-" at 89.699,11.788 h1.88 r270; Mechanical 13 "-" at 89.699,11.788 h1.88 r270
J6: Top Overlay "OPEN" at 63.083,32.146 h1 r180; Top Overlay "LOCK" at 62.712,42.918 h1 r180
U2: Mechanical 13 "ANTENNA" at 18.583,59.601 h1.78